# KiCad board q2v2.kicad_pcb (continued)
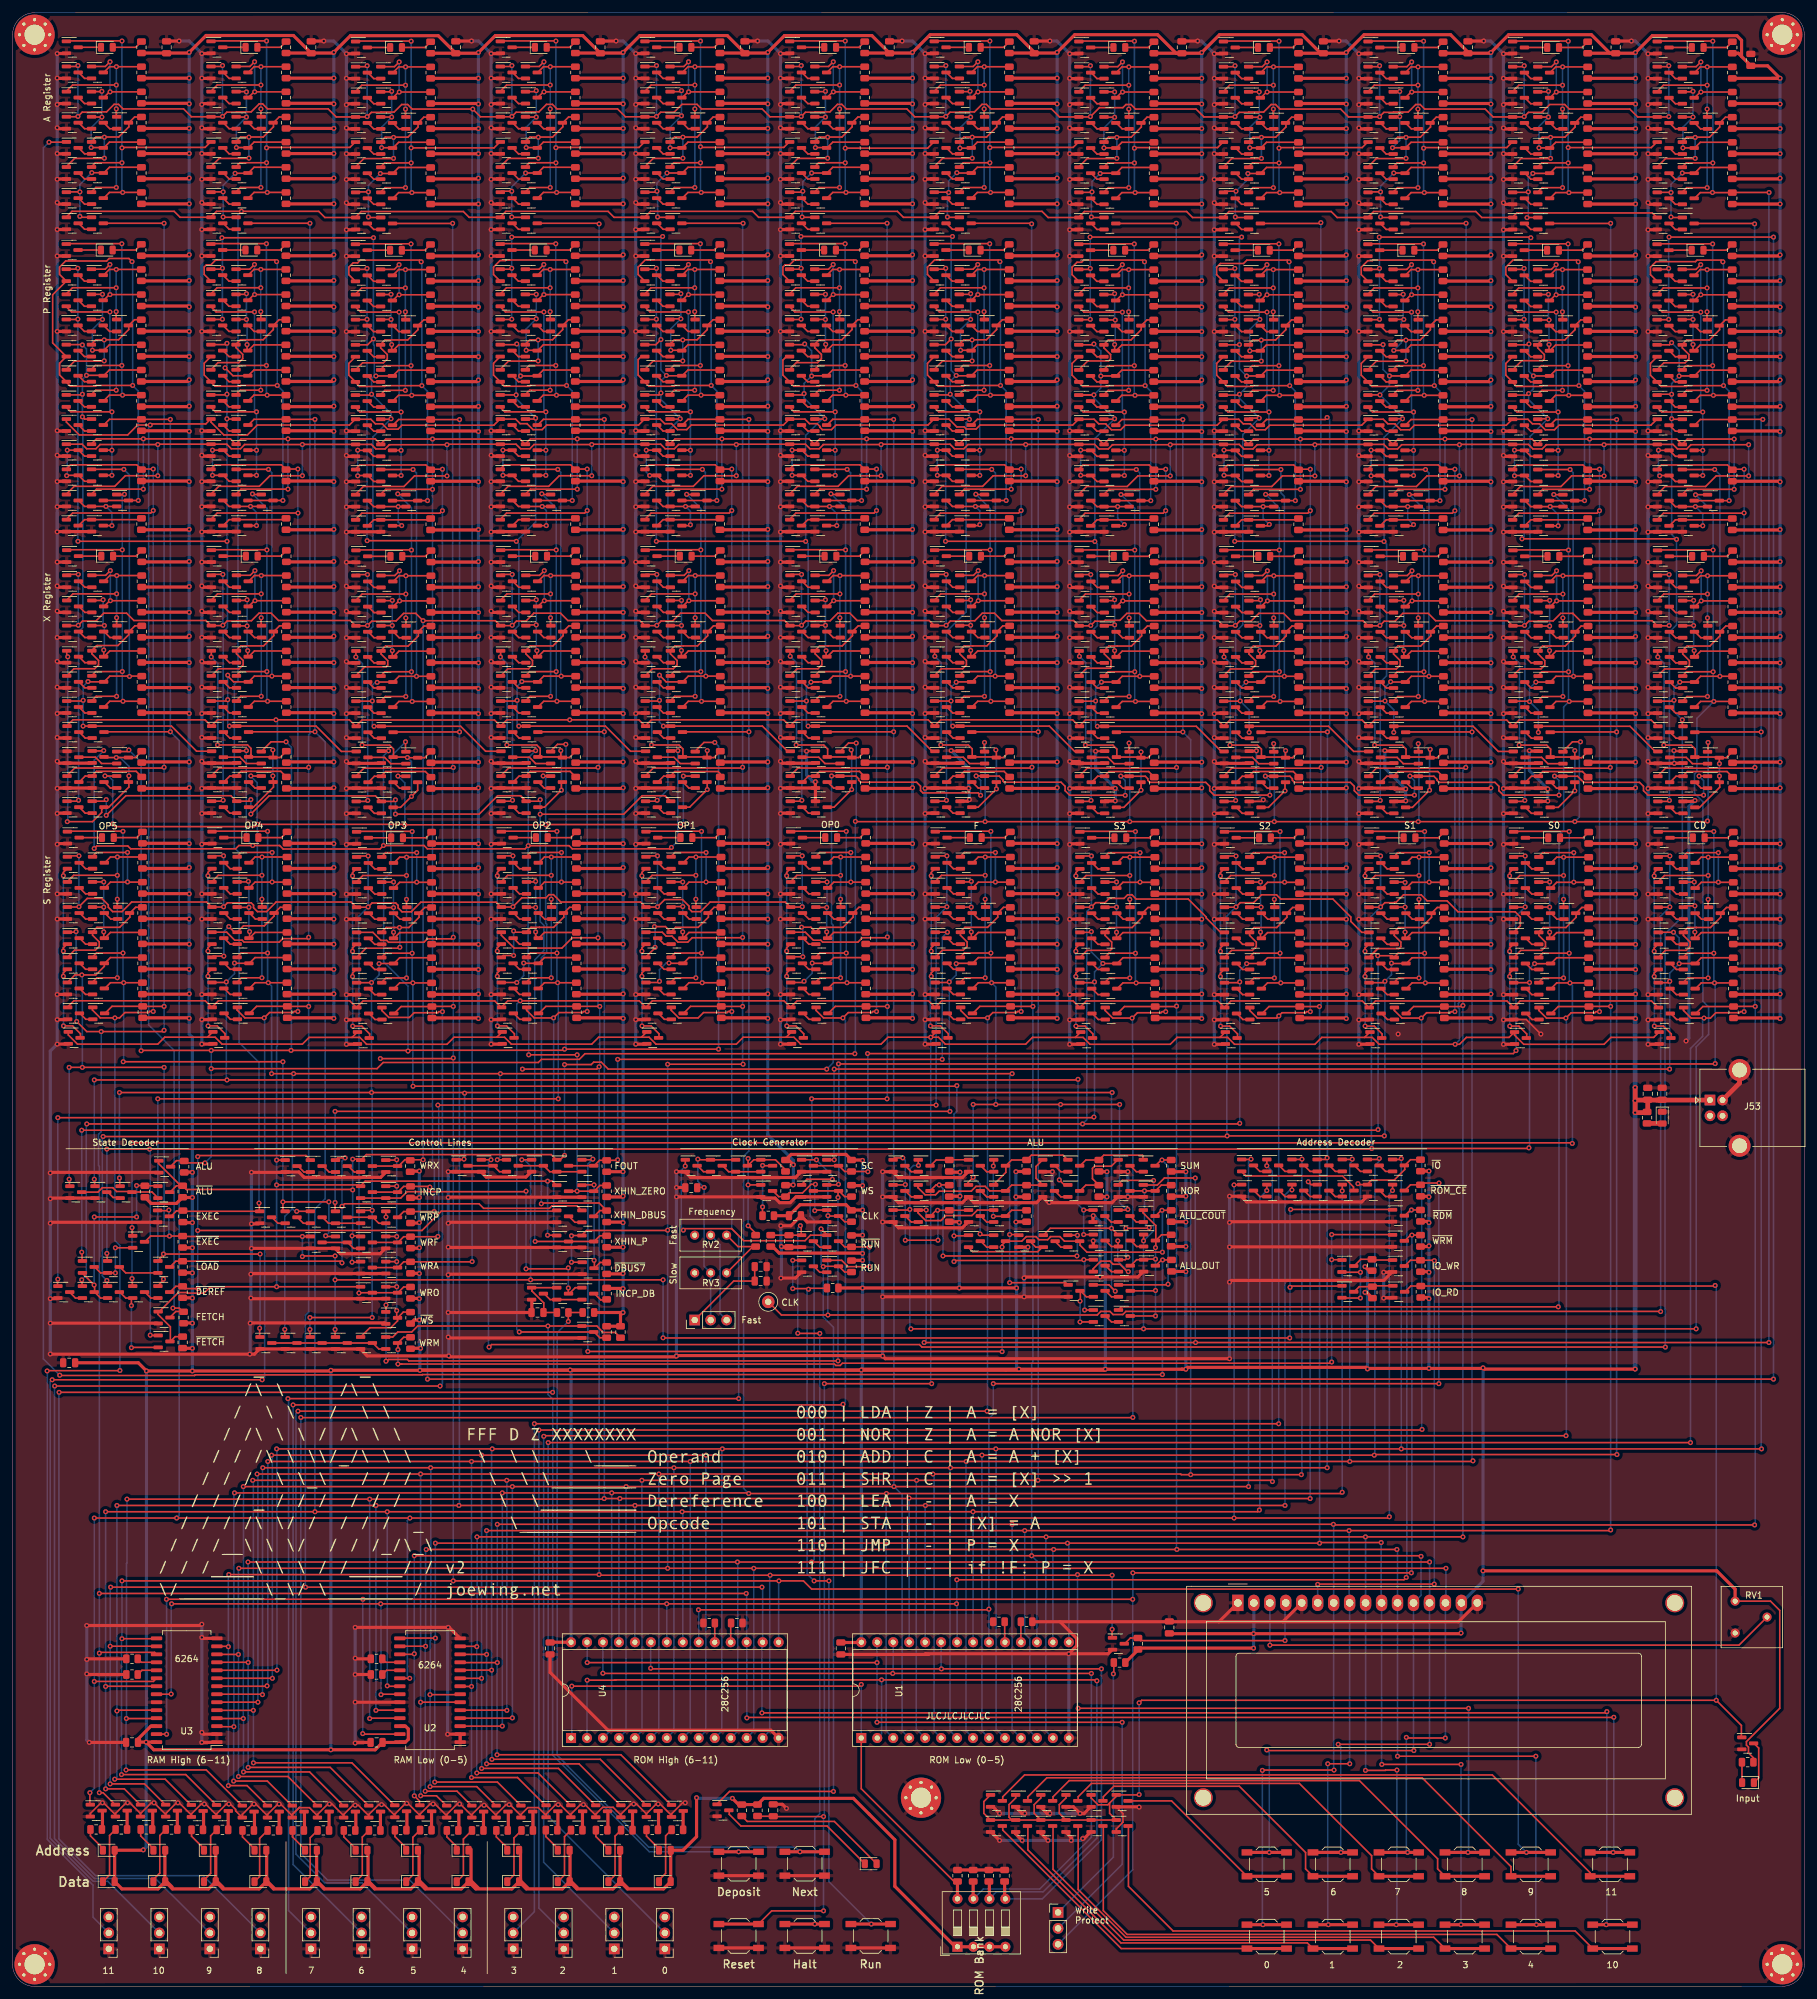
[diagram p0: board, top side]
## Placement (name value [footprint] x y rotation side) (continued)
Q1011  2N7002  [SOT-23]  243.53 264.24 0 top
Q1012  2N7002  [SOT-23]  239.53 264.24 0 top
Q1013  2N7002  [SOT-23]  243.53 260.24 0 top
Q1014  2N7002  [SOT-23]  239.53 260.24 0 top
Q1015  2N7002  [SOT-23]  204.45 126.63 0 top
Q1016  2N7002  [SOT-23]  200.45 126.63 0 top
Q1017  2N7002  [SOT-23]  243.71 158.76 0 top
Q1018  2N7002  [SOT-23]  243.71 174.76 0 top
Q1019  2N7002  [SOT-23]  239.71 158.76 0 top
Q1020  2N7002  [SOT-23]  239.71 174.76 0 top
Q1021  2N7002-2  [SOT-23]  239.71 182.76 0 top
Q1022  2N7002  [SOT-23]  243.71 162.76 0 top
Q1023  2N7002  [SOT-23]  243.71 178.76 0 top
Q1024  2N7002  [SOT-23]  239.71 162.76 0 top
Q1025  2N7002  [SOT-23]  239.71 178.76 0 top
Q1026  2N7002  [SOT-23]  247.71 170.76 0 top
Q1027  2N7002  [SOT-23]  243.71 170.76 0 top
Q1028  2N7002  [SOT-23]  239.71 170.76 0 top
Q1029  2N7002  [SOT-23]  243.71 166.76 0 top
Q1030  2N7002  [SOT-23]  239.71 166.76 0 top
Q1031  2N7002-2  [SOT-23]  266.75 154.8 0 top
Q1032  2N7002-2  [SOT-23]  262.75 154.8 0 top
Q1033  2N7002  [SOT-23]  266.55 280.5 0 top
Q1034  2N7002  [SOT-23]  262.55 280.5 0 top
Q1035  2N7002  [SOT-23]  266.55 284.5 0 top
Q1036  2N7002  [SOT-23]  266.55 300.5 0 top
Q1037  2N7002  [SOT-23]  262.55 284.5 0 top
Q1038  2N7002  [SOT-23]  262.55 300.5 0 top
Q1039  2N7002-2  [SOT-23]  262.55 308.5 0 top
Q1040  2N7002  [SOT-23]  266.55 288.5 0 top
Q1041  2N7002  [SOT-23]  266.55 304.5 0 top
Q1042  2N7002  [SOT-23]  262.55 288.5 0 top
Q1043  2N7002  [SOT-23]  262.55 304.5 0 top
Q1044  2N7002  [SOT-23]  270.55 296.5 0 top
Q1045  2N7002  [SOT-23]  266.55 296.5 0 top
Q1046  2N7002  [SOT-23]  262.55 296.5 0 top
Q1047  2N7002  [SOT-23]  266.55 292.5 0 top
Q1048  2N7002  [SOT-23]  262.55 292.5 0 top
Q1049  2N7002  [SOT-23]  270.55 191.6 0 top
Q1050  2N7002  [SOT-23]  266.65 199.55 0 top
Q1051  2N7002  [SOT-23]  266.65 187.6 0 top
Q1052  2N7002  [SOT-23]  270.55 195.5 0 top
Q1053  2N7002  [SOT-23]  266.65 195.6 0 top
Q1054  2N7002  [SOT-23]  266.65 191.6 0 top
Q1055  2N7002  [SOT-23]  262.65 199.55 0 top
Q1056  2N7002  [SOT-23]  262.65 187.6 0 top
Q1057  2N7002  [SOT-23]  262.65 195.55 0 top
Q1058  2N7002  [SOT-23]  262.65 191.6 0 top
Q1059  2N7002  [SOT-23]  266.6 203.54 0 top
Q1060  2N7002  [SOT-23]  266.6 219.54 0 top
Q1061  2N7002  [SOT-23]  262.6 203.54 0 top
Q1062  2N7002  [SOT-23]  262.6 219.54 0 top
Q1063  2N7002-2  [SOT-23]  262.6 227.54 0 top
Q1064  2N7002  [SOT-23]  266.6 207.54 0 top
Q1065  2N7002  [SOT-23]  266.6 223.54 0 top
Q1066  2N7002  [SOT-23]  262.6 207.54 0 top
Q1067  2N7002  [SOT-23]  262.6 223.54 0 top
Q1068  2N7002  [SOT-23]  270.6 215.54 0 top
Q1069  2N7002  [SOT-23]  266.6 215.54 0 top
Q1070  2N7002  [SOT-23]  262.6 215.54 0 top
Q1071  2N7002  [SOT-23]  266.6 211.54 0 top
Q1072  2N7002  [SOT-23]  262.6 211.54 0 top
Q1073  2N7002  [SOT-23]  266.55 248.4 0 top
Q1074  2N7002  [SOT-23]  262.55 248.4 0 top
Q1075  2N7002  [SOT-23]  266.55 244.4 0 top
Q1076  2N7002  [SOT-23]  266.55 240.4 0 top
Q1077  2N7002  [SOT-23]  266.55 236.4 0 top
Q1078  2N7002  [SOT-23]  270.55 236.4 0 top
Q1079  2N7002-2  [SOT-23]  262.55 244.4 0 top
Q1080  2N7002-2  [SOT-23]  262.55 240.4 0 top
Q1081  2N7002-2  [SOT-23]  262.55 236.4 0 top
Q1082  2N7002  [SOT-23]  266.55 232.4 0 top
Q1083  2N7002-2  [SOT-23]  262.55 232.4 0 top
Q1084  2N7002  [SOT-23]  266.53 252.24 0 top
Q1085  2N7002  [SOT-23]  266.53 268.24 0 top
Q1086  2N7002  [SOT-23]  262.53 252.24 0 top
Q1087  2N7002  [SOT-23]  262.53 268.24 0 top
Q1088  2N7002-2  [SOT-23]  262.53 276.24 0 top
Q1089  2N7002  [SOT-23]  266.53 256.24 0 top
Q1090  2N7002  [SOT-23]  266.53 272.24 0 top
Q1091  2N7002  [SOT-23]  262.53 256.24 0 top
Q1092  2N7002  [SOT-23]  262.53 272.24 0 top
Q1093  2N7002  [SOT-23]  270.53 264.24 0 top
Q1094  2N7002  [SOT-23]  266.53 264.24 0 top
Q1095  2N7002  [SOT-23]  262.53 264.24 0 top
Q1096  2N7002  [SOT-23]  266.53 260.24 0 top
Q1097  2N7002  [SOT-23]  262.53 260.24 0 top
Q1098  2N7002  [SOT-23]  220.45 126.63 0 top
Q1099  2N7002  [SOT-23]  196.45 126.63 0 top
Q1100  2N7002  [SOT-23]  266.71 158.76 0 top
Q1101  2N7002  [SOT-23]  266.71 174.76 0 top
Q1102  2N7002  [SOT-23]  262.71 158.76 0 top
Q1103  2N7002  [SOT-23]  262.71 174.76 0 top
Q1104  2N7002-2  [SOT-23]  262.71 182.76 0 top
Q1105  2N7002  [SOT-23]  266.71 162.76 0 top
Q1106  2N7002  [SOT-23]  266.71 178.76 0 top
Q1107  2N7002  [SOT-23]  262.71 162.76 0 top
Q1108  2N7002  [SOT-23]  262.71 178.76 0 top
Q1109  2N7002  [SOT-23]  270.71 170.76 0 top
Q1110  2N7002  [SOT-23]  266.71 170.76 0 top
Q1111  2N7002  [SOT-23]  262.71 170.76 0 top
Q1112  2N7002  [SOT-23]  266.71 166.76 0 top
Q1113  2N7002  [SOT-23]  262.71 166.76 0 top
Q1114  2N7002  [SOT-23]  216.45 126.63 0 top
Q1115  2N7002  [SOT-23]  220.45 118.63 0 top
Q1116  2N7002  [SOT-23]  220.45 122.63 0 top
Q1117  2N7002-2  [SOT-23]  156.5 29.53 0 top
Q1118  2N7002  [SOT-23]  212.4 114.63 0 top
Q1119  2N7002-2  [SOT-23]  13.3 27.98 0 top
Q1120  2N7002-2  [SOT-23]  17.3 27.98 0 top
Q1121  2N7002-2  [SOT-23]  21.29 27.97 0 top
Q1122  2N7002-2  [SOT-23]  25.29 27.97 0 top
Q1123  2N7002-2  [SOT-23]  91.5 104.13 0 top
Q1124  2N7002-2  [SOT-23]  29.38 27.92 0 top
Q1125  2N7002-2  [SOT-23]  33.38 27.92 0 top
Q1126  2N7002  [SOT-23]  220.45 114.63 0 top
Q1127  2N7002-2  [SOT-23]  175.9 54.53 0 top
Q1128  2N7002-2  [SOT-23]  37.48 27.82 0 top
Q1129  2N7002-2  [SOT-23]  41.48 27.82 0 top
Q1130  2N7002-2  [SOT-23]  45.43 27.82 0 top
Q1131  2N7002-2  [SOT-23]  49.43 27.82 0 top
Q1132  2N7002-2  [SOT-23]  53.6 27.82 0 top
Q1133  2N7002-2  [SOT-23]  57.6 27.82 0 top
Q1134  2N7002-2  [SOT-23]  61.73 27.87 0 top
Q1135  2N7002-2  [SOT-23]  65.73 27.87 0 top
Q1136  2N7002-2  [SOT-23]  69.99 27.82 0 top
Q1137  2N7002-2  [SOT-23]  73.99 27.82 0 top
Q1138  2N7002-2  [SOT-23]  77.86 27.82 0 top
Q1139  2N7002-2  [SOT-23]  81.8 27.83 0 top
Q1140  2N7002-2  [SOT-23]  85.8 27.87 0 top
Q1141  2N7002-2  [SOT-23]  89.74 27.87 0 top
Q1142  2N7002-2  [SOT-23]  93.7 27.87 0 top
Q1143  2N7002-2  [SOT-23]  97.7 27.87 0 top
Q1144  2N7002-2  [SOT-23]  101.75 27.92 0 top
Q1145  2N7002-2  [SOT-23]  105.75 27.92 0 top
Q1146  2N7002-2  [SOT-23]  176.5 25.53 0 top
Q1147  2N7002  [SOT-23]  160.5 29.53 0 top
Q1148  2N7002-2  [SOT-23]  164.5 29.53 0 top
Q1149  2N7002-2  [SOT-23]  168.5 29.53 0 top
Q1150  2N7002-2  [SOT-23]  172.5 29.53 0 top
Q1151  2N7002-2  [SOT-23]  176.5 29.53 0 top
Q1152  2N7002-2  [SOT-23]  172.5 25.53 0 top
Q1153  2N7002-2  [SOT-23]  168.5 25.53 0 top
Q1154  2N7002-2  [SOT-23]  164.5 25.53 0 top
Q1155  2N7002-2  [SOT-23]  160.5 25.53 0 top
Q1156  2N7002-2  [SOT-23]  156.5 25.53 0 top
Q1157  2N7002-2  [SOT-23]  276 38.68 0 top
Q1158  2N7002  [SOT-23]  113 28.03 0 top
R1  10k  [R_0805_2012Metric]  57.9 49.63 180 top
R2  10k  [R_0805_2012Metric]  20.5 248.43 90 top
R3  10k  [R_0805_2012Metric]  20.7 155.03 90 top
R4  4.7k  [R_0805_2012Metric]  20.5 308.53 90 top
R5  10k  [R_0805_2012Metric]  20.5 284.53 90 top
R6  10k  [R_0805_2012Metric]  20.5 300.53 90 top
R7  10k  [R_0805_2012Metric]  20.5 288.53 90 top
R8  10k  [R_0805_2012Metric]  20.5 304.53 90 top
R9  10k  [R_0805_2012Metric]  20.5 296.53 90 top
R10  10k  [R_0805_2012Metric]  20.5 292.53 90 top
R11  4.7k  [R_0805_2012Metric]  20.55 227.57 90 top
R12  10k  [R_0805_2012Metric]  20.55 195.63 90 top
R13  10k  [R_0805_2012Metric]  20.55 191.53 90 top
R14  10k  [R_0805_2012Metric]  20.55 203.57 90 top
R15  10k  [R_0805_2012Metric]  20.55 219.57 90 top
R16  10k  [R_0805_2012Metric]  20.55 207.57 90 top
R17  10k  [R_0805_2012Metric]  20.55 223.57 90 top
R18  10k  [R_0805_2012Metric]  20.55 215.57 90 top
R19  10k  [R_0805_2012Metric]  20.55 211.57 90 top
R20  4.7k  [R_0805_2012Metric]  20.48 276.27 90 top
R21  10k  [R_0805_2012Metric]  20.5 240.43 90 top
R22  10k  [R_0805_2012Metric]  20.5 232.68 90 top
R23  10k  [R_0805_2012Metric]  20.48 252.27 90 top
R24  10k  [R_0805_2012Metric]  20.48 268.27 90 top
R25  10k  [R_0805_2012Metric]  20.48 256.27 90 top
R26  10k  [R_0805_2012Metric]  20.48 272.27 90 top
R27  10k  [R_0805_2012Metric]  20.48 264.27 90 top
R28  10k  [R_0805_2012Metric]  20.48 260.27 90 top
R29  4.7k  [R_0805_2012Metric]  20.66 182.79 90 top
R30  10k  [R_0805_2012Metric]  20.66 158.79 90 top
R31  10k  [R_0805_2012Metric]  20.66 174.79 90 top
R32  10k  [R_0805_2012Metric]  20.66 162.79 90 top
R33  10k  [R_0805_2012Metric]  20.66 178.79 90 top
R34  10k  [R_0805_2012Metric]  20.66 170.79 90 top
R35  10k  [R_0805_2012Metric]  20.66 166.79 90 top
R36  10k  [R_0805_2012Metric]  43.5 248.43 90 top
R37  10k  [R_0805_2012Metric]  43.7 155.03 90 top
R38  10k  [R_0805_2012Metric]  43.5 284.53 90 top
R39  10k  [R_0805_2012Metric]  43.5 300.53 90 top
R40  4.7k  [R_0805_2012Metric]  43.5 308.53 90 top
R41  10k  [R_0805_2012Metric]  43.5 288.53 90 top
R42  10k  [R_0805_2012Metric]  43.5 304.53 90 top
R43  10k  [R_0805_2012Metric]  43.5 296.53 90 top
R44  10k  [R_0805_2012Metric]  43.5 292.53 90 top
R45  10k  [R_0805_2012Metric]  43.55 195.63 90 top
R46  10k  [R_0805_2012Metric]  43.55 191.53 90 top
R47  10k  [R_0805_2012Metric]  43.55 203.57 90 top
R48  10k  [R_0805_2012Metric]  43.55 219.57 90 top
R49  4.7k  [R_0805_2012Metric]  43.55 227.57 90 top
R50  10k  [R_0805_2012Metric]  43.55 207.57 90 top
R51  10k  [R_0805_2012Metric]  43.55 223.57 90 top
R52  10k  [R_0805_2012Metric]  43.55 215.57 90 top
R53  10k  [R_0805_2012Metric]  43.55 211.57 90 top
R54  10k  [R_0805_2012Metric]  43.5 240.43 90 top
R55  10k  [R_0805_2012Metric]  43.5 232.68 90 top
R56  10k  [R_0805_2012Metric]  43.48 252.27 90 top
R57  10k  [R_0805_2012Metric]  43.48 268.27 90 top
R58  4.7k  [R_0805_2012Metric]  43.48 276.27 90 top
R59  10k  [R_0805_2012Metric]  43.48 256.27 90 top
R60  10k  [R_0805_2012Metric]  43.48 272.27 90 top
R61  10k  [R_0805_2012Metric]  43.48 264.27 90 top
R62  10k  [R_0805_2012Metric]  43.48 260.27 90 top
R63  10k  [R_0805_2012Metric]  43.66 158.79 90 top
R64  10k  [R_0805_2012Metric]  43.66 174.79 90 top
R65  4.7k  [R_0805_2012Metric]  43.66 182.79 90 top
R66  10k  [R_0805_2012Metric]  43.66 162.79 90 top
R67  10k  [R_0805_2012Metric]  43.66 178.79 90 top
R68  10k  [R_0805_2012Metric]  43.66 170.79 90 top
R69  10k  [R_0805_2012Metric]  43.66 166.79 90 top
R70  10k  [R_0805_2012Metric]  27.05 102.48 90 top
R71  10k  [R_0805_2012Metric]  27.05 110.48 90 top
R72  10k  [R_0805_2012Metric]  27.05 114.48 90 top
R73  10k  [R_0805_2012Metric]  27.05 118.48 90 top
R74  10k  [R_0805_2012Metric]  27.05 126.48 90 top
R75  10k  [R_0805_2012Metric]  27.3 130.43 90 top
R76  10k  [R_0805_2012Metric]  21.05 126.48 90 top
R77  10k  [R_0805_2012Metric]  27.2 106.43 90 top
R78  10k  [R_0805_2012Metric]  27.1 122.53 90 top
R79  1k  [R_0805_2012Metric]  63.3 110.38 90 top
R80  10k  [R_0805_2012Metric]  94.5 126.53 90 top
R81  10k  [R_0805_2012Metric]  94.5 122.53 90 top
R82  10k  [R_0805_2012Metric]  94.5 118.53 90 top
R83  1k  [R_0805_2012Metric]  63.3 114.38 90 top
R84  10k  [R_0805_2012Metric]  63.3 126.38 90 top
R85  10k  [R_0805_2012Metric]  94.5 114.28 90 top
R86  1k  [R_0805_2012Metric]  63.3 106.38 90 top
R87  10k  [R_0805_2012Metric]  63.3 118.38 90 top
R88  1k  [R_0805_2012Metric]  63.25 130.53 90 top
R89  10k  [R_0805_2012Metric]  63.3 122.38 90 top
R90  10k  [R_0805_2012Metric]  94.5 130.53 90 top
R91  10k  [R_0805_2012Metric]  63.3 102.38 90 top
R92  1k  [R_0805_2012Metric]  133.45 130.58 270 top
R93  10k  [R_0805_2012Metric]  118.2 118.63 90 top
R94  10k  [R_0805_2012Metric]  224 110.53 90 top
R95  10k  [R_0805_2012Metric]  122.95 130.58 270 top
R96  10k  [R_0805_2012Metric]  122.95 126.58 270 top
R97  1k  [R_0805_2012Metric]  133.45 122.58 270 top
R98  1k  [R_0805_2012Metric]  133.45 126.58 270 top
R99  10k  [R_0805_2012Metric]  120.2 122.63 180 top
R100  10k  [R_0805_2012Metric]  133.45 118.58 270 top
R101  10k  [R_0805_2012Metric]  133.45 114.58 270 top
R102  10k  [R_0805_2012Metric]  120.6 118.63 90 top
R103  10k  [R_0805_2012Metric]  130.45 111.13 180 top
R104  10k  [R_0805_2012Metric]  91.6 107.23 180 top
R105  10k  [R_0805_2012Metric]  216.3 110.43 90 top
R106  10k  [R_0805_2012Metric]  87.5 107.23 0 top
R107  10k  [R_0805_2012Metric]  94.5 110.23 270 top
R108  10k  [R_0805_2012Metric]  161.3 122.58 90 top
R109  10k  [R_0805_2012Metric]  149 122.58 90 top
R110  10k  [R_0805_2012Metric]  161.3 130.58 90 top
R111  4.7k  [R_0805_2012Metric]  260 138.23 270 top
R112  4.7k  [R_0805_2012Metric]  276 35.68 180 top
R113  10k  [R_0805_2012Metric]  149 130.58 90 top
R114  10k  [R_0805_2012Metric]  172.8 130.58 90 top
R115  10k  [R_0805_2012Metric]  149 126.58 90 top
R116  10k  [R_0805_2012Metric]  161.3 126.58 90 top
R117  10k  [R_0805_2012Metric]  184.3 130.58 90 top
R118  10k  [R_0805_2012Metric]  184.3 122.58 90 top
R119  10k  [R_0805_2012Metric]  184.35 114.68 90 top
R120  10k  [R_0805_2012Metric]  172.8 126.58 90 top
R121  10k  [R_0805_2012Metric]  184.3 118.68 90 top
R122  10k  [R_0805_2012Metric]  184.3 126.58 90 top
R123  10k  [R_0805_2012Metric]  66.5 248.4 90 top
R124  10k  [R_0805_2012Metric]  66.7 155 90 top
R125  10k  [R_0805_2012Metric]  66.5 284.5 90 top
R126  10k  [R_0805_2012Metric]  66.5 300.5 90 top
R127  4.7k  [R_0805_2012Metric]  66.5 308.5 90 top
R128  10k  [R_0805_2012Metric]  66.5 288.5 90 top
R129  10k  [R_0805_2012Metric]  66.5 304.5 90 top
R130  10k  [R_0805_2012Metric]  66.5 296.5 90 top
R131  10k  [R_0805_2012Metric]  66.5 292.5 90 top
R132  10k  [R_0805_2012Metric]  66.55 195.6 90 top
R133  10k  [R_0805_2012Metric]  66.55 191.5 90 top
R134  10k  [R_0805_2012Metric]  66.55 203.54 90 top
R135  10k  [R_0805_2012Metric]  66.55 219.54 90 top
R136  4.7k  [R_0805_2012Metric]  66.55 227.54 90 top
R137  10k  [R_0805_2012Metric]  66.55 207.54 90 top
R138  10k  [R_0805_2012Metric]  66.55 223.54 90 top
R139  10k  [R_0805_2012Metric]  66.55 215.54 90 top
R140  10k  [R_0805_2012Metric]  66.55 211.54 90 top
R141  10k  [R_0805_2012Metric]  66.5 240.4 90 top
R142  10k  [R_0805_2012Metric]  66.5 232.65 90 top
R143  10k  [R_0805_2012Metric]  66.48 252.24 90 top
R144  10k  [R_0805_2012Metric]  66.48 268.24 90 top
R145  4.7k  [R_0805_2012Metric]  66.48 276.24 90 top
R146  10k  [R_0805_2012Metric]  66.48 256.24 90 top
R147  10k  [R_0805_2012Metric]  66.48 272.24 90 top
R148  10k  [R_0805_2012Metric]  66.48 264.24 90 top
R149  10k  [R_0805_2012Metric]  66.48 260.24 90 top
R150  10k  [R_0805_2012Metric]  66.66 158.76 90 top
R151  10k  [R_0805_2012Metric]  66.66 174.76 90 top
R152  4.7k  [R_0805_2012Metric]  66.66 182.76 90 top
R153  10k  [R_0805_2012Metric]  66.66 162.76 90 top
R154  10k  [R_0805_2012Metric]  66.66 178.76 90 top
R155  10k  [R_0805_2012Metric]  66.66 170.76 90 top
R156  10k  [R_0805_2012Metric]  66.66 166.76 90 top
R157  10k  [R_0805_2012Metric]  89.53 248.42 90 top
R158  10k  [R_0805_2012Metric]  89.73 155.02 90 top
R159  10k  [R_0805_2012Metric]  89.53 284.52 90 top
R160  10k  [R_0805_2012Metric]  89.53 300.52 90 top
R161  4.7k  [R_0805_2012Metric]  89.53 308.52 90 top
R162  10k  [R_0805_2012Metric]  89.53 288.52 90 top
R163  10k  [R_0805_2012Metric]  89.53 304.52 90 top
R164  10k  [R_0805_2012Metric]  89.53 296.52 90 top
R165  10k  [R_0805_2012Metric]  89.53 292.52 90 top
R166  10k  [R_0805_2012Metric]  89.57 195.62 90 top
R167  10k  [R_0805_2012Metric]  89.57 191.52 90 top
R168  10k  [R_0805_2012Metric]  89.57 203.56 90 top
R169  10k  [R_0805_2012Metric]  89.57 219.56 90 top
R170  4.7k  [R_0805_2012Metric]  89.57 227.56 90 top
R171  10k  [R_0805_2012Metric]  89.57 207.56 90 top
R172  10k  [R_0805_2012Metric]  89.57 223.56 90 top
R173  10k  [R_0805_2012Metric]  89.57 215.56 90 top
R174  10k  [R_0805_2012Metric]  89.57 211.56 90 top
R175  10k  [R_0805_2012Metric]  89.53 240.42 90 top
R176  10k  [R_0805_2012Metric]  89.53 232.67 90 top
R177  10k  [R_0805_2012Metric]  89.5 252.27 90 top
R178  10k  [R_0805_2012Metric]  89.5 268.27 90 top
R179  4.7k  [R_0805_2012Metric]  89.5 276.27 90 top
R180  10k  [R_0805_2012Metric]  89.5 256.27 90 top
R181  10k  [R_0805_2012Metric]  89.5 272.27 90 top
R182  10k  [R_0805_2012Metric]  89.5 264.27 90 top
R183  10k  [R_0805_2012Metric]  89.5 260.27 90 top
R184  10k  [R_0805_2012Metric]  89.69 158.78 90 top
R185  10k  [R_0805_2012Metric]  89.69 174.78 90 top
R186  4.7k  [R_0805_2012Metric]  89.69 182.78 90 top
R187  10k  [R_0805_2012Metric]  89.69 162.78 90 top
R188  10k  [R_0805_2012Metric]  89.69 178.78 90 top
R189  10k  [R_0805_2012Metric]  89.69 170.78 90 top
R190  10k  [R_0805_2012Metric]  89.69 166.78 90 top
R191  10k  [R_0805_2012Metric]  112.53 248.42 90 top
R192  10k  [R_0805_2012Metric]  112.73 155.02 90 top
R193  10k  [R_0805_2012Metric]  112.53 284.52 90 top
R194  10k  [R_0805_2012Metric]  112.53 300.52 90 top
R195  4.7k  [R_0805_2012Metric]  112.53 308.52 90 top
R196  10k  [R_0805_2012Metric]  112.53 288.52 90 top
R197  10k  [R_0805_2012Metric]  112.53 304.52 90 top
R198  10k  [R_0805_2012Metric]  112.53 296.52 90 top
R199  10k  [R_0805_2012Metric]  112.53 292.52 90 top
R200  10k  [R_0805_2012Metric]  112.57 195.62 90 top
R201  10k  [R_0805_2012Metric]  112.57 191.52 90 top
R202  10k  [R_0805_2012Metric]  112.57 203.56 90 top
R203  10k  [R_0805_2012Metric]  112.57 219.56 90 top
R204  4.7k  [R_0805_2012Metric]  112.57 227.56 90 top
R205  10k  [R_0805_2012Metric]  112.57 207.56 90 top
R206  10k  [R_0805_2012Metric]  112.57 223.56 90 top
R207  10k  [R_0805_2012Metric]  112.57 215.56 90 top
R208  10k  [R_0805_2012Metric]  112.57 211.56 90 top
R209  10k  [R_0805_2012Metric]  112.53 240.42 90 top
R210  10k  [R_0805_2012Metric]  112.53 232.67 90 top
R211  10k  [R_0805_2012Metric]  112.5 252.27 90 top
R212  10k  [R_0805_2012Metric]  112.5 268.27 90 top
R213  4.7k  [R_0805_2012Metric]  112.5 276.27 90 top
R214  10k  [R_0805_2012Metric]  112.5 256.27 90 top
R215  10k  [R_0805_2012Metric]  112.5 272.27 90 top
R216  10k  [R_0805_2012Metric]  112.5 264.27 90 top
R217  10k  [R_0805_2012Metric]  112.5 260.27 90 top
R218  10k  [R_0805_2012Metric]  112.69 158.78 90 top
R219  10k  [R_0805_2012Metric]  112.69 174.78 90 top
R220  4.7k  [R_0805_2012Metric]  112.69 182.78 90 top
R221  10k  [R_0805_2012Metric]  112.69 162.78 90 top
R222  10k  [R_0805_2012Metric]  112.69 178.78 90 top
R223  10k  [R_0805_2012Metric]  112.69 170.78 90 top
R224  10k  [R_0805_2012Metric]  112.69 166.78 90 top
R225  10k  [R_0805_2012Metric]  135.55 248.42 90 top
R226  10k  [R_0805_2012Metric]  135.75 155.02 90 top
R227  10k  [R_0805_2012Metric]  135.55 284.52 90 top
R228  10k  [R_0805_2012Metric]  135.55 300.52 90 top
R229  4.7k  [R_0805_2012Metric]  135.55 308.52 90 top
R230  10k  [R_0805_2012Metric]  135.55 288.52 90 top
R231  10k  [R_0805_2012Metric]  135.55 304.52 90 top
R232  10k  [R_0805_2012Metric]  135.55 296.52 90 top
R233  10k  [R_0805_2012Metric]  135.55 292.52 90 top
R234  10k  [R_0805_2012Metric]  135.6 195.62 90 top
R235  10k  [R_0805_2012Metric]  135.6 191.52 90 top
R236  10k  [R_0805_2012Metric]  135.6 203.56 90 top
R237  10k  [R_0805_2012Metric]  135.6 219.56 90 top
R238  4.7k  [R_0805_2012Metric]  135.6 227.56 90 top
R239  10k  [R_0805_2012Metric]  135.6 207.56 90 top
R240  10k  [R_0805_2012Metric]  135.6 223.56 90 top
R241  10k  [R_0805_2012Metric]  135.6 215.56 90 top
R242  10k  [R_0805_2012Metric]  135.6 211.56 90 top
R243  10k  [R_0805_2012Metric]  135.55 240.42 90 top
R244  10k  [R_0805_2012Metric]  135.55 232.67 90 top
R245  10k  [R_0805_2012Metric]  135.53 252.27 90 top
R246  10k  [R_0805_2012Metric]  135.53 268.27 90 top
R247  4.7k  [R_0805_2012Metric]  135.53 276.27 90 top
R248  10k  [R_0805_2012Metric]  135.53 256.27 90 top
R249  10k  [R_0805_2012Metric]  135.53 272.27 90 top
R250  10k  [R_0805_2012Metric]  135.53 264.27 90 top
R251  10k  [R_0805_2012Metric]  135.53 260.27 90 top
R252  10k  [R_0805_2012Metric]  135.71 158.78 90 top
R253  10k  [R_0805_2012Metric]  135.71 174.78 90 top
R254  4.7k  [R_0805_2012Metric]  135.71 182.78 90 top
R255  10k  [R_0805_2012Metric]  135.71 162.78 90 top
R256  10k  [R_0805_2012Metric]  135.71 178.78 90 top
R257  10k  [R_0805_2012Metric]  135.71 170.78 90 top
R258  10k  [R_0805_2012Metric]  135.71 166.78 90 top
R259  10k  [R_0805_2012Metric]  158.55 248.42 90 top
R260  10k  [R_0805_2012Metric]  158.75 155.02 90 top
R261  10k  [R_0805_2012Metric]  158.55 284.52 90 top
R262  10k  [R_0805_2012Metric]  158.55 300.52 90 top
R263  4.7k  [R_0805_2012Metric]  158.55 308.52 90 top
R264  10k  [R_0805_2012Metric]  158.55 288.52 90 top
R265  10k  [R_0805_2012Metric]  158.55 304.52 90 top
R266  10k  [R_0805_2012Metric]  158.55 296.52 90 top
R267  10k  [R_0805_2012Metric]  158.55 292.52 90 top
R268  10k  [R_0805_2012Metric]  158.6 195.62 90 top
R269  10k  [R_0805_2012Metric]  158.6 191.52 90 top
R270  10k  [R_0805_2012Metric]  158.6 203.56 90 top
R271  10k  [R_0805_2012Metric]  158.6 219.56 90 top
R272  4.7k  [R_0805_2012Metric]  158.6 227.56 90 top
R273  10k  [R_0805_2012Metric]  158.6 207.56 90 top
R274  10k  [R_0805_2012Metric]  158.6 223.56 90 top
R275  10k  [R_0805_2012Metric]  158.6 215.56 90 top
R276  10k  [R_0805_2012Metric]  158.6 211.56 90 top
R277  10k  [R_0805_2012Metric]  158.55 240.42 90 top
R278  10k  [R_0805_2012Metric]  158.55 232.67 90 top
R279  10k  [R_0805_2012Metric]  158.53 252.27 90 top
R280  10k  [R_0805_2012Metric]  158.53 268.27 90 top
R281  4.7k  [R_0805_2012Metric]  158.53 276.27 90 top
R282  10k  [R_0805_2012Metric]  158.53 256.27 90 top
R283  10k  [R_0805_2012Metric]  158.53 272.27 90 top
R284  10k  [R_0805_2012Metric]  158.53 264.27 90 top
R285  10k  [R_0805_2012Metric]  158.53 260.27 90 top
R286  10k  [R_0805_2012Metric]  158.71 158.78 90 top
R287  10k  [R_0805_2012Metric]  158.71 174.78 90 top
R288  4.7k  [R_0805_2012Metric]  158.71 182.78 90 top
R289  10k  [R_0805_2012Metric]  158.71 162.78 90 top
R290  10k  [R_0805_2012Metric]  158.71 178.78 90 top
R291  10k  [R_0805_2012Metric]  158.71 170.78 90 top
R292  10k  [R_0805_2012Metric]  158.71 166.78 90 top
R293  10k  [R_0805_2012Metric]  181.55 248.4 90 top
R294  10k  [R_0805_2012Metric]  181.75 155 90 top
R295  10k  [R_0805_2012Metric]  181.55 284.5 90 top
R296  10k  [R_0805_2012Metric]  181.55 300.5 90 top
R297  4.7k  [R_0805_2012Metric]  181.55 308.5 90 top
R298  10k  [R_0805_2012Metric]  181.55 288.5 90 top
R299  10k  [R_0805_2012Metric]  181.55 304.5 90 top
R300  10k  [R_0805_2012Metric]  181.55 296.5 90 top
R301  10k  [R_0805_2012Metric]  181.55 292.5 90 top
R302  10k  [R_0805_2012Metric]  181.6 195.6 90 top
R303  10k  [R_0805_2012Metric]  181.6 191.5 90 top
R304  10k  [R_0805_2012Metric]  181.6 203.54 90 top
R305  10k  [R_0805_2012Metric]  181.6 219.54 90 top
R306  4.7k  [R_0805_2012Metric]  181.6 227.54 90 top
R307  10k  [R_0805_2012Metric]  181.6 207.54 90 top
R308  10k  [R_0805_2012Metric]  181.6 223.54 90 top
R309  10k  [R_0805_2012Metric]  181.6 215.54 90 top
R310  10k  [R_0805_2012Metric]  181.6 211.54 90 top
R311  10k  [R_0805_2012Metric]  181.55 240.4 90 top
R312  10k  [R_0805_2012Metric]  181.55 232.65 90 top
R313  10k  [R_0805_2012Metric]  181.53 252.24 90 top
R314  10k  [R_0805_2012Metric]  181.53 268.24 90 top
R315  4.7k  [R_0805_2012Metric]  181.53 276.24 90 top
R316  10k  [R_0805_2012Metric]  181.53 256.24 90 top
R317  10k  [R_0805_2012Metric]  181.53 272.24 90 top
R318  10k  [R_0805_2012Metric]  181.53 264.24 90 top
R319  10k  [R_0805_2012Metric]  181.53 260.24 90 top
R320  10k  [R_0805_2012Metric]  181.71 158.76 90 top
R321  10k  [R_0805_2012Metric]  181.71 174.76 90 top
R322  4.7k  [R_0805_2012Metric]  181.71 182.76 90 top
R323  10k  [R_0805_2012Metric]  181.71 162.76 90 top
R324  10k  [R_0805_2012Metric]  181.71 178.76 90 top
R325  10k  [R_0805_2012Metric]  181.71 170.76 90 top
R326  10k  [R_0805_2012Metric]  181.71 166.76 90 top
R327  10k  [R_0805_2012Metric]  204.55 248.4 90 top
R328  10k  [R_0805_2012Metric]  204.75 155 90 top
R329  10k  [R_0805_2012Metric]  204.55 284.5 90 top
R330  10k  [R_0805_2012Metric]  204.55 300.5 90 top
R331  4.7k  [R_0805_2012Metric]  204.55 308.5 90 top
R332  10k  [R_0805_2012Metric]  204.55 288.5 90 top
R333  10k  [R_0805_2012Metric]  204.55 304.5 90 top
R334  10k  [R_0805_2012Metric]  204.55 296.5 90 top
R335  10k  [R_0805_2012Metric]  204.55 292.5 90 top
R336  10k  [R_0805_2012Metric]  204.6 195.6 90 top
R337  10k  [R_0805_2012Metric]  204.6 191.5 90 top
R338  10k  [R_0805_2012Metric]  204.6 203.54 90 top
R339  10k  [R_0805_2012Metric]  204.6 219.54 90 top
R340  4.7k  [R_0805_2012Metric]  204.6 227.54 90 top
R341  10k  [R_0805_2012Metric]  204.6 207.54 90 top
R342  10k  [R_0805_2012Metric]  204.6 223.54 90 top
R343  10k  [R_0805_2012Metric]  204.6 215.54 90 top
R344  10k  [R_0805_2012Metric]  204.6 211.54 90 top
R345  10k  [R_0805_2012Metric]  204.55 240.4 90 top
R346  10k  [R_0805_2012Metric]  204.55 232.65 90 top
R347  10k  [R_0805_2012Metric]  204.53 252.24 90 top
R348  10k  [R_0805_2012Metric]  204.53 268.24 90 top
R349  4.7k  [R_0805_2012Metric]  204.53 276.24 90 top
R350  10k  [R_0805_2012Metric]  204.53 256.24 90 top
R351  10k  [R_0805_2012Metric]  204.53 272.24 90 top
R352  10k  [R_0805_2012Metric]  204.53 264.24 90 top